# Altium PCB MiniPC.PcbDoc (part 15 of 22)
Units mm, origin at the board's own origin, x right, y up, seen from the top; angles counter-clockwise.
Board outline 175 x 155 mm, 16 copper layers (1_Top, 2_int1_(gnd), 3_int2_(power), 4_int3_(gnd), 5_int4_(sign), 6_int5_(power), 7_int6_(sign), 8_int7_(power), 9_int8_(gnd), 10_int9_(sign), 11_int10_(gnd), 12_int11_(sign), 13_int12_(gnd), 14_int13_(power), 15_int14_(gnd), 16_Bottom), stack 2.008 mm thick; 1046 components, 837 nets, 6010 pads, 3950 vias.
Unrouted connection lines stored in the file: 585.
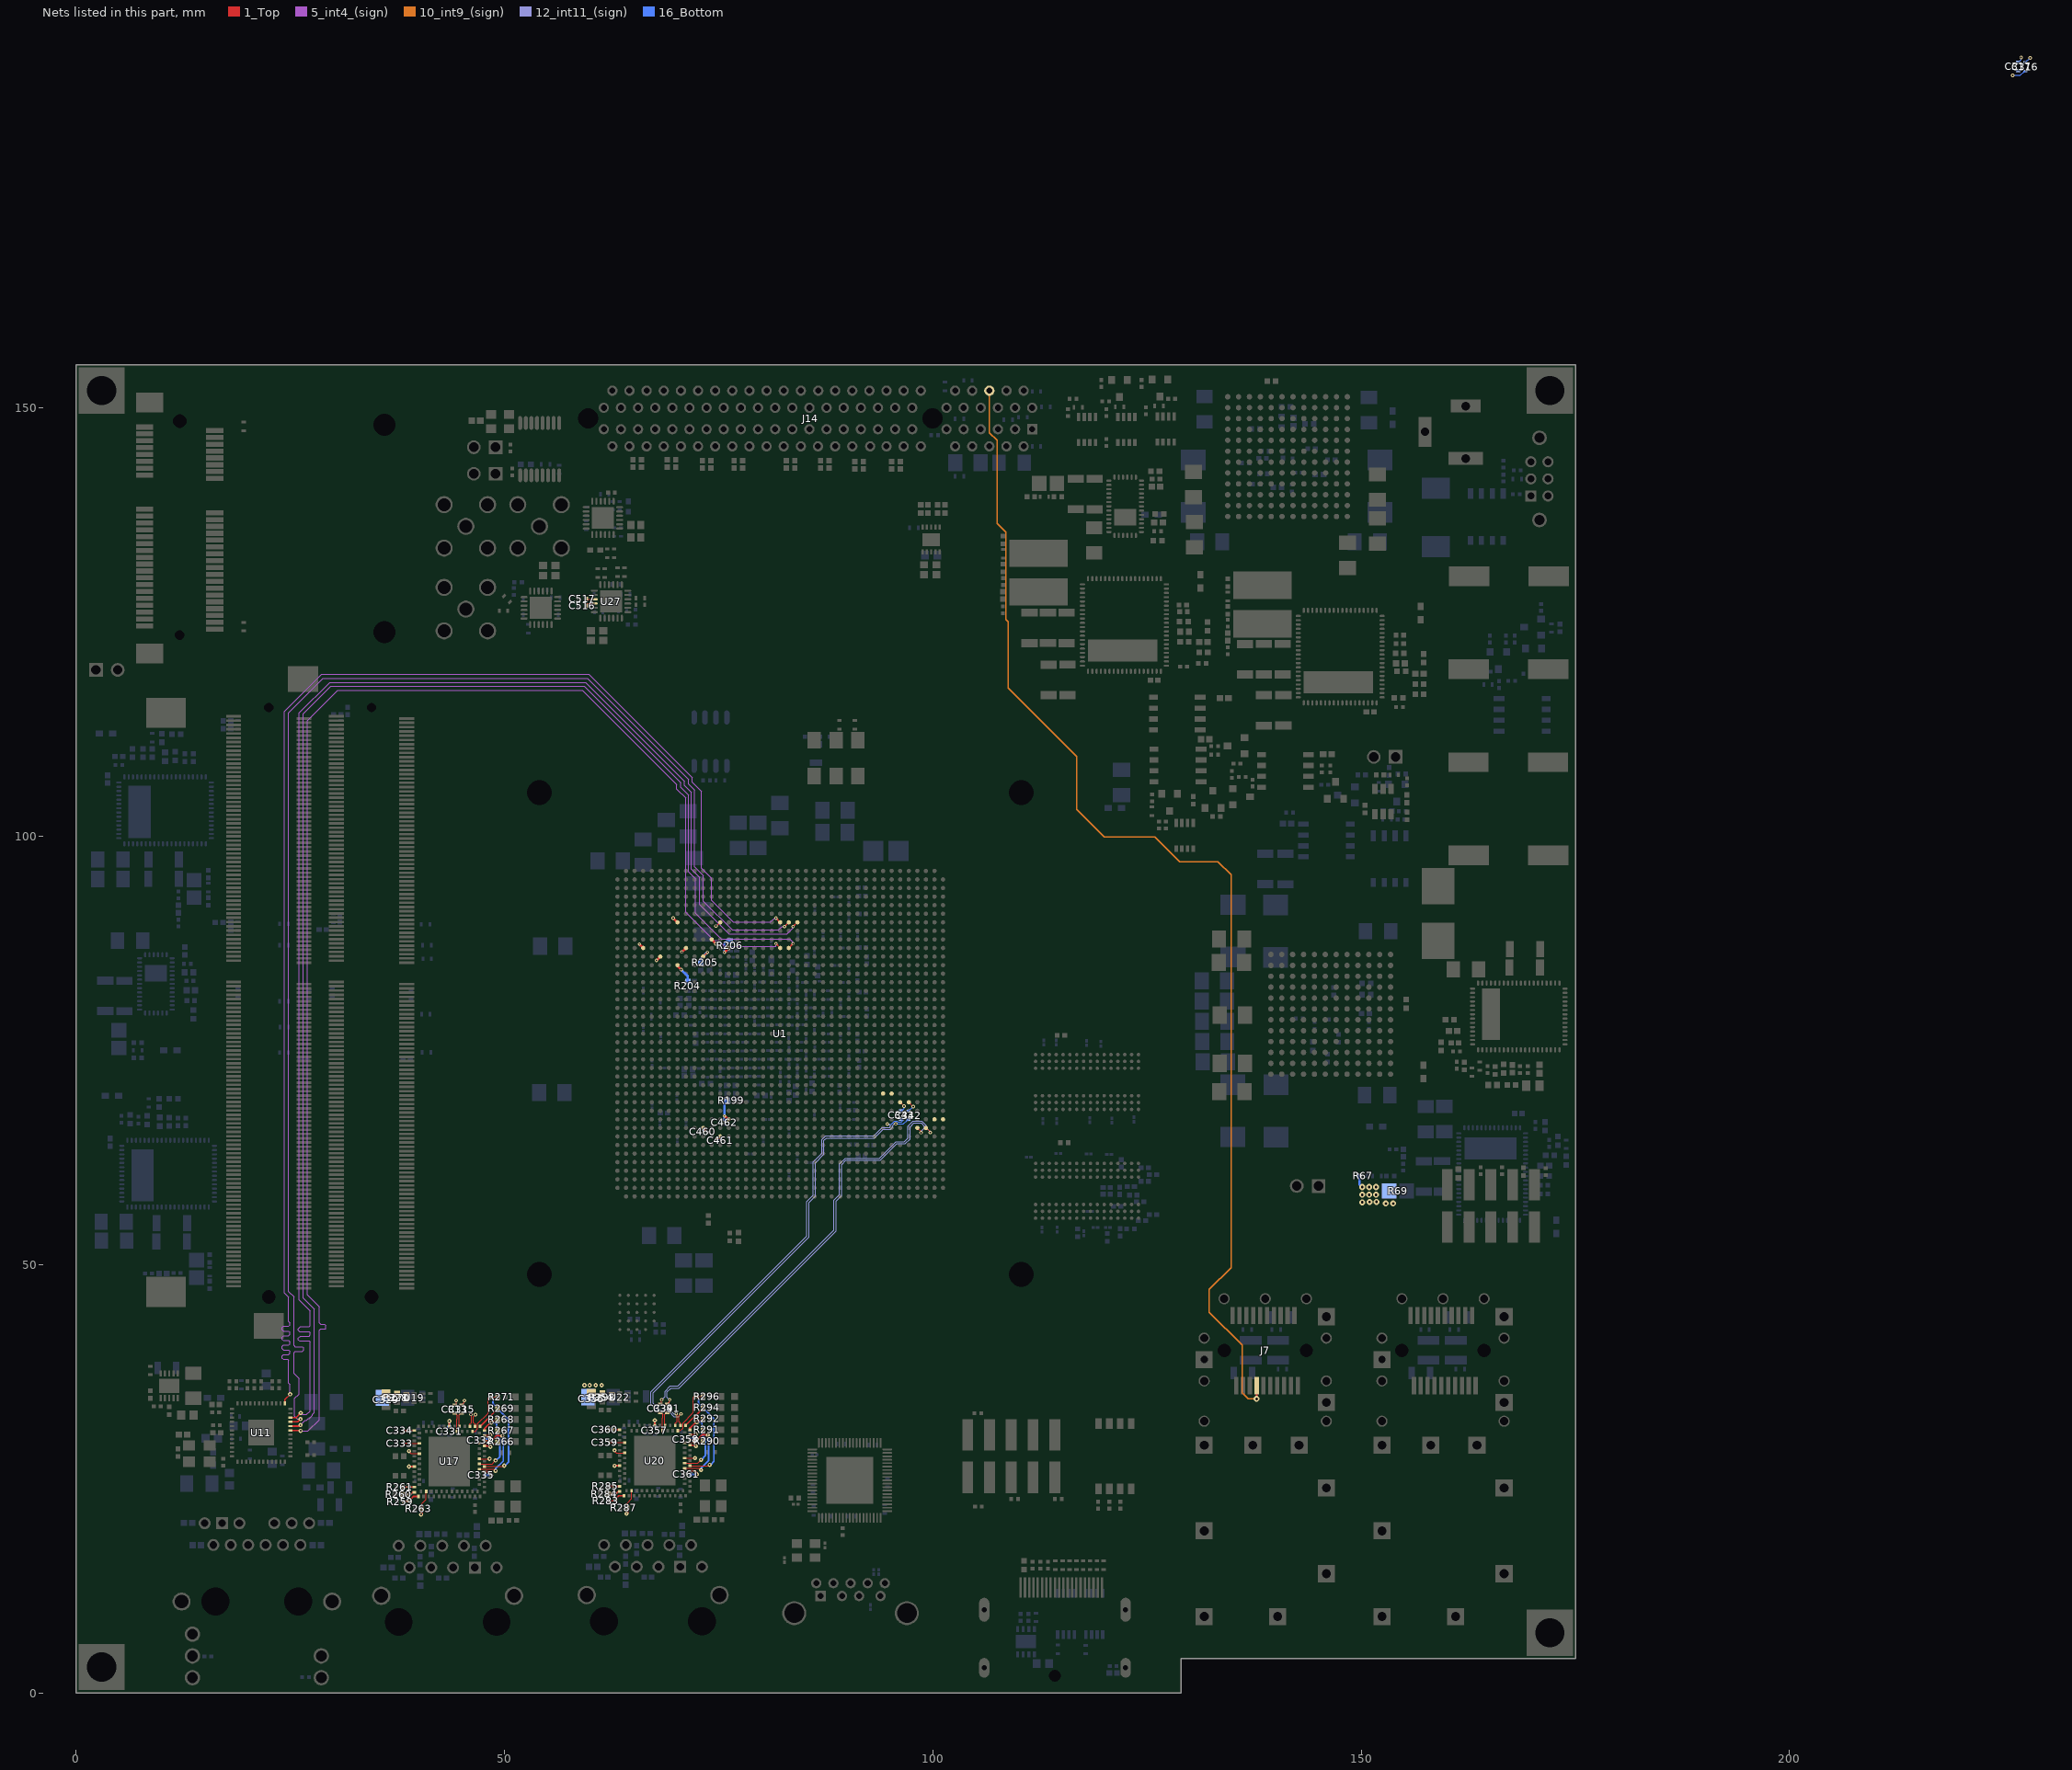
[diagram p29: the nets of this part, all layers, seen from the top]

## Via types
v1: diameter 0.4, hole 0.2, 1_Top to 16_Bottom, tented both sides, 1651 vias
v2: diameter 0.5, hole 0.2, 1_Top to 16_Bottom, tented both sides, 983 vias
v3: diameter 0.7, hole 0.3, 1_Top to 16_Bottom, tented both sides, 915 vias
v4: diameter 0.6, hole 0.2, 1_Top to 16_Bottom, tented both sides, 278 vias
v5: diameter 0.4, hole 0.2, 1_Top to 16_Bottom, 78 vias
v6: diameter 0.4/0/0/0/0/0/0/0/0/0/0/0/0/0/0/0.4 (per signal layer), hole 0.2, 1_Top to 16_Bottom, tented both sides, 18 vias
v7: diameter 0.5, hole 0.254, 1_Top to 16_Bottom, tented both sides, 15 vias
v8: diameter 0.4/0/0/0/0/0/0/0/0/0/0/0.4/0.4/0.4/0.4/0.4 (per signal layer), hole 0.2, 1_Top to 16_Bottom, tented both sides, 10 vias
v9: diameter 0.5, hole 0.2, 1_Top to 16_Bottom, 2 vias

## Nets (pads, with @x,y where several pads share a name; then routed paths per layer and width w, separated by ;. In a path a pad name is that pad's centre, name@x,y a point inside that pad or via, vN(x,y) a via of type N, cw(c..) or ccw(c..) an arc to the next point about the centre after c; other vN are vias at no path point) (continued)
ENET_HPS_TX_EN: U1.G20 U11.25 | length 166.3
  1_Top w0.15: v1(81.694,90.439) U1.G20@82.194,89.939
  1_Top w0.17: U11.25@24.362,33.775 24.362,34.204 25,34.843 v2(25,34.85)
  5_int4_(sign) w0.1: v2(25,34.85) 24.965,34.885 24.965,35.985 24.825,36.125 24.825,38.788 24.687,38.925 24.197,38.925 24.06,39.063 24.06,39.338 24.197,39.475 24.828,39.475 24.965,39.613 24.965,39.888 24.828,40.025 24.197,40.025 24.06,40.163 24.06,40.438 24.197,40.575 24.828,40.575 24.965,40.713 24.965,40.988 24.828,41.125 24.197,41.125 24.06,41.263 24.06,41.538 24.197,41.675 24.828,41.675 24.965,41.813 24.965,42.088 24.828,42.225 24.197,42.225 24.06,42.363 24.06,42.638 24.197,42.775 24.828,42.775 24.965,42.913 24.965,43.188 24.825,43.328 24.825,46.174 24.34,46.659 24.34,114.566 28.659,118.885 59.867,118.885 71.95,106.802 71.95,106.272 73.025,105.197 73.025,96.227 74.2,95.052 74.2,92.475 76.725,89.95 81.071,89.95 81.561,90.439 v1(81.694,90.439)
ENET_HPS_TXD0: U1.K20 U11.19 | length 165.1
  1_Top w0.17: U11.19@25.012,30.625 26.169,30.625 v2(26.213,30.582) ; v1(81.694,87.439) U1.K20@82.194,86.939
  5_int4_(sign) w0.1: v2(26.213,30.582) 27.043,30.582 27.075,30.55 28.4,31.875 28.4,42.338 28.537,42.475 29.152,42.475 29.152,42.888 29.015,43.025 28.537,43.025 28.4,43.163 28.4,45.05 27.025,46.425 27.025,48.65 27,48.675 27,113.475 30.55,117.025 59.124,117.025 70.11,106.039 70.11,105.51 71.175,104.445 71.175,91.125 74.45,87.85 74.975,87.85 75.675,87.15 76.1,87.15 76.125,87.125 78.93,87.125 78.955,87.15 81.694,87.15 v1(81.694,87.439)
ENET_HPS_TXD1: U1.K21 U11.20 | length 165.3
  1_Top w0.17: U11.20@25.012,31.125 26.076,31.125 v2(26.2,31.25) ; U1.K21@83.194,86.939 v1(83.694,87.439)
  5_int4_(sign) w0.1: v2(26.2,31.25) 26.75,31.8 26.9,31.8 27.125,32.025 27.2,32.025 27.575,32.4 27.575,32.475 27.8,32.7 27.8,44.775 26.525,46.05 26.525,114.3 29.725,117.5 59.3,117.5 70.57,106.23 70.57,105.701 71.5,104.771 71.5,95.8 72.3,95 72.3,91 75.325,87.975 81.446,87.975 81.47,87.999 83.301,87.999 83.694,87.606 v1(83.694,87.439)
ENET_HPS_TXD2: U1.G21 U11.21 | length 166.9
  1_Top w0.17: U11.21@25.012,31.625 25.876,31.625 v2(26.2,31.95) ; v1(82.694,89.439) U1.G21@83.194,89.939
  5_int4_(sign) w0.1: v2(26.2,31.95) 25.85,31.95 25.5,32.3 25.5,34.35 26.025,34.875 26.025,36.675 25.425,37.275 25.425,39.713 25.563,39.85 26.441,39.85 26.578,39.988 26.578,40.263 26.441,40.4 25.563,40.4 25.425,40.538 25.425,46.225 24.8,46.85 24.8,48.475 24.825,48.5 24.825,114.4 28.85,118.425 59.676,118.425 71.49,106.611 71.49,106.082 72.179,105.393 72.179,96.423 73.22,95.381 73.22,92.396 76.576,89.039 82.014,89.039 82.414,89.439 v1(82.694,89.439) ; v1@82.694,89.4 v1@82.7,89.4
ENET_HPS_TXD3: U1.G22 U11.22 | length 169.4
  1_Top w0.17: U11.22@25.012,32.125 25.69,32.125 26.214,32.65 v2(26.225,32.65) ; v1(83.694,89.439) U1.G22@84.194,89.939
  5_int4_(sign) w0.1: v2(26.225,32.65) 26.4,32.475 26.925,32.475 27.34,32.89 27.34,40.938 27.203,41.075 26.093,41.075 25.955,41.213 25.955,41.388 26.192,41.625 27.203,41.625 27.34,41.763 27.34,42.038 27.203,42.175 26.093,42.175 25.955,42.313 25.955,42.488 26.192,42.725 27.203,42.725 27.34,42.863 27.34,44.584 26.065,45.859 26.065,114.391 29.634,117.96 59.491,117.96 71.03,106.421 71.03,105.891 71.825,105.096 71.825,96.126 72.76,95.191 72.76,92.015 76.196,88.579 82.979,88.579 83.694,89.294 v1(83.694,89.439)
ENET_REFCLK_C_N: C516.1 U27.22 | length 1
  1_Top w0.1: C516.1@59.6,127 59.75,127.15 U27.22@60.5,127.15
ENET_REFCLK_C_P: C517.1 U27.21 | length 0.9
  1_Top w0.1: C517.1@59.6,127.7 59.65,127.65 U27.21@60.5,127.65
ENETA_DVDD: C328.2 C329.2 C331.2 C332.2 C333.2 C334.2 C335.2 R270.2 U17.A1 U17.A8 U17.A31 U17.A36 U17.A38 U17.A46 U17.B3 U17.B5 U17.B29 U19.4 | length 12.1
  1_Top w0.1: v2(38.874,28.212) 38.774,28.212 39.074,27.912 U17.B5@40.074,27.912 ; v2(38.874,29.112) U17.B3@40.074,29.112 ; U17.B29@47.074,27.312 v2(48.274,27.312)
  1_Top w0.2: C333.2@38.274,29.112 v2(38.874,29.112) ; v2(38.874,26.412) 38.774,26.412 U17.A8@39.474,26.412 ; v2(38.874,30.612) 38.774,30.612 U17.A1@39.474,30.612 ; U17.A46@43.574,31.112 v2(43.574,31.712) ; U17.A31@47.674,25.812 48.274,25.812 48.474,25.612 v2(48.474,25.412) ; U17.A36@47.674,28.812 48.174,28.812 48.274,28.712 v2(48.374,28.712) ; U17.A38@47.674,30.012 48.274,30.012 v2(48.374,30.112)
  1_Top w0.25: C334.2@38.274,30.612 v2@38.774,30.612
  16_Bottom w0.25: C331.2@43.574,31.012 v2(43.574,31.712) ; C332.2@47.674,29.512 47.874,29.512 v2@48.374,30.012 ; C335.2@47.774,25.412 v2(48.474,25.412)
ENETA_INTN: R261.1 R285.1 U17.A12 U20.A12 | length 2.6
  1_Top w0.2: R261.1@38.199,24.012 v2(38.874,24.012) U17.A12@39.474,24.012 ; R285.1@62.175,24.1 v2(62.85,24.1) U20.A12@63.45,24.1
ENETA_LED_LINK10: R271.2 U17.A32 U17.B35 | length 17.4
  1_Top w0.1: U17.B35@46.274,30.512 46.574,30.512 46.874,30.812 46.874,31.412 48.074,32.612 48.074,34.412 48.174,34.512 v2(48.474,34.512) R271.2@49.174,34.512 ; U17.A32@47.674,26.412 49.974,26.412 v2(49.974,26.512)
  16_Bottom w0.2: v2@48.674,34.512 48.674,33.712 49.974,32.412 50.474,31.912 50.474,26.912 50.074,26.512 v2(49.974,26.512)
ENETA_LED_LINK100: R269.2 U17.A40 | length 2.9
  1_Top w0.2: U17.A40@47.174,31.112 49.174,33.112 R269.2@49.174,33.212
ENETA_LED_LINK1000: R268.2 U17.A39 U17.B28 | length 9.9
  1_Top w0.1: U17.B28@47.074,26.712 48.574,26.712 48.874,27.012 48.974,27.012 48.874,27.112 v2(48.974,27.112)
  1_Top w0.2: U17.A39@47.674,30.612 47.774,30.612 47.724,30.662 47.674,30.712 47.674,30.812 v2@48.424,31.562 ; v2(48.474,31.512) 48.474,31.712 49.074,31.712 R268.2@49.174,31.812
  16_Bottom w0.2: v2(48.474,31.512) 48.974,31.512 49.074,31.412 49.074,30.012 49.474,29.612 49.474,27.576 49.01,27.112 v2(48.974,27.112)
ENETA_LED_RX: R267.2 U17.A37 U17.B27 | length 9.7
  1_Top w0.1: U17.B27@47.074,26.112 48.774,26.112 v2(48.974,25.912)
  1_Top w0.2: U17.A37@47.674,29.412 48.474,29.412 48.732,29.67 49.074,30.012 ; R267.2@49.224,30.612 49.224,30.062 49.274,30.012 ; v2(49.774,29.987) 49.699,29.912 49.674,29.912 49.574,30.012 49.274,30.012 ; 49.074,30.012 49.274,30.012 ; 49.074,30.012 49.274,30.012
  16_Bottom w0.2: v2(48.974,25.912) 48.974,26.148 49.874,27.048 49.874,29.712 49.774,29.812 v2(49.774,29.987)
ENETA_LED_TX: R266.2 U17.B32 | length 1.9
  1_Top w0.1: U17.B32@47.074,29.112 48.874,29.112 R266.2@48.974,29.212
ENETA_MDC: R259.1 R283.1 U17.A14 U20.A14 | length 4
  1_Top w0.2: R259.1@38.274,22.312 38.874,22.312 v2(38.974,22.412) 38.974,22.512 39.374,22.912 U17.A14@39.974,22.912 ; R283.1@62.25,22.4 62.85,22.4 v2(62.95,22.5) 62.95,22.6 63.35,23 U20.A14@63.95,23
ENETA_MDIO: R260.1 R284.1 U17.A13 U20.A13 | length 2.4
  1_Top w0.17: R260.1@38.399,23.137 38.874,23.137 v9(38.899,23.162) ; v9@38.899,23.137 39.049,23.137 39.324,23.412 U17.A13@39.474,23.412 ; R284.1@62.375,23.225 62.85,23.225 v9(62.875,23.25) ; v9@62.875,23.225 63.025,23.225 63.3,23.5 U20.A13@63.45,23.5
ENETA_RESETN: R263.1 R287.1 U17.B13 U20.B13 | length 5.9
  1_Top w0.1: R263.1@40.374,21.512 40.374,22.062 40.874,22.562 U17.B13@40.874,23.512 ; R287.1@64.35,21.6 64.35,22.15 64.85,22.65 U20.B13@64.85,23.6
  1_Top w0.25: v2(40.274,20.812) 40.374,20.912 R263.1@40.374,21.512 ; v2(64.25,20.9) 64.35,21 R287.1@64.35,21.6
ENETA_RX_N: C317.1 U1.AG32 | length 0.7
  16_Bottom w0.1: C317.1@226.689,190.337 227.014,190.662 v5(227.014,190.895)
ENETA_RX_P: C316.1 U1.AG33 | length 0.8
  16_Bottom w0.1: C316.1@227.514,190.312 228.039,190.837 v5(228.072,190.837)
ENETA_RXC_N: C317.2 U17.A41 | length 1.5
  1_Top w0.1: U17.A41@46.574,31.112 46.574,31.362 46.384,31.552 46.384,32.222 v1(46.624,32.462)
ENETA_RXC_P: C316.2 U17.A42 | length 3.2
  1_Top w0.1: U17.A42@45.974,31.112 45.974,31.362 46.164,31.552 46.164,32.397 v1(46.074,32.487)
  16_Bottom w0.1: v5(226.039,188.812) 226.939,188.812 227.389,189.262 227.464,189.262 C316.2@227.514,189.312
ENETA_TX_N: C315.1 U1.AK38 | length 0.7
  1_Top w0.1: C315.1@45.024,33.612 45.324,33.912 v1(45.324,34.112) v1@45.274,34.162
ENETA_TX_P: C313.1 U1.AK39 | length 0.6
  1_Top w0.1: C313.1@44.374,33.612 v1(44.374,34.112) v1@44.374,34.162
ENETA_TXC_N: C315.2 U17.A44 | length 1.7
  1_Top w0.1: U17.A44@44.774,31.112 44.724,31.162 44.724,31.901 44.744,31.921 44.744,32.432 44.924,32.612 C315.2@45.024,32.612
ENETA_TXC_P: C313.2 U17.B38 | length 2.3
  1_Top w0.1: C313.2@44.224,32.612 44.324,32.612 44.524,32.412 44.524,32.012 44.474,31.962 U17.B38@44.474,30.512
ENETB_DVDD: C354.2 C355.2 C357.2 C358.2 C359.2 C360.2 C361.2 R293.2 U20.A1 U20.A8 U20.A31 U20.A36 U20.A38 U20.A46 U20.B3 U20.B5 U20.B29 U22.4 | length 12.1
  1_Top w0.1: v2(62.85,28.3) 62.75,28.3 63.05,28 U20.B5@64.05,28 ; v2(62.85,29.2) U20.B3@64.05,29.2 ; U20.B29@71.05,27.4 v2(72.25,27.4)
  1_Top w0.2: C359.2@62.25,29.2 v2(62.85,29.2) ; v2(62.85,26.5) 62.75,26.5 U20.A8@63.45,26.5 ; v2(62.85,30.7) 62.75,30.7 U20.A1@63.45,30.7 ; U20.A46@67.55,31.2 v2(67.55,31.8) ; U20.A31@71.65,25.9 72.25,25.9 72.45,25.7 v2(72.45,25.5) ; U20.A36@71.65,28.9 72.15,28.9 72.25,28.8 v2(72.35,28.8) ; U20.A38@71.65,30.1 72.25,30.1 v2(72.35,30.2)
  1_Top w0.25: C360.2@62.25,30.7 v2@62.75,30.7
  16_Bottom w0.25: C357.2@67.55,31.1 v2(67.55,31.8) ; C358.2@71.65,29.6 71.85,29.6 v2@72.35,30.1 ; C361.2@71.75,25.5 v2(72.45,25.5)
  other v2: 59.35,35.9 59.95,35.9 60.65,35.9 61.35,35.9
ENETB_LED_LINK10: R296.2 U20.A32 U20.B35 | length 17.4
  1_Top w0.1: U20.B35@70.25,30.6 70.55,30.6 70.85,30.9 70.85,31.5 72.05,32.7 72.05,34.5 72.15,34.6 v2(72.45,34.6) R296.2@73.15,34.6 ; U20.A32@71.65,26.5 73.95,26.5 v2(73.95,26.6)
  16_Bottom w0.2: v2@72.65,34.6 72.65,33.8 73.95,32.5 74.45,32 74.45,27 74.05,26.6 v2(73.95,26.6)
ENETB_LED_LINK100: R294.2 U20.A40 | length 2.9
  1_Top w0.2: U20.A40@71.15,31.2 73.15,33.2 R294.2@73.15,33.3
ENETB_LED_LINK1000: R292.2 U20.A39 U20.B28 | length 9.9
  1_Top w0.1: U20.B28@71.05,26.8 72.55,26.8 72.85,27.1 72.95,27.1 72.85,27.2 v2(72.95,27.2)
  1_Top w0.2: U20.A39@71.65,30.7 71.75,30.7 71.7,30.75 71.65,30.8 71.65,30.9 v2@72.4,31.65 ; v2(72.45,31.6) 72.45,31.8 73.05,31.8 R292.2@73.15,31.9
  16_Bottom w0.2: v2(72.45,31.6) 72.95,31.6 73.05,31.5 73.05,30.1 73.45,29.7 73.45,27.664 72.986,27.2 v2(72.95,27.2)
ENETB_LED_RX: R291.2 U20.A37 U20.B27 | length 9.7
  1_Top w0.1: U20.B27@71.05,26.2 72.75,26.2 v2(72.95,26)
  1_Top w0.2: U20.A37@71.65,29.5 72.45,29.5 72.708,29.758 73.05,30.1 ; R291.2@73.2,30.7 73.2,30.15 73.25,30.1 ; v2(73.75,30.075) 73.675,30 73.65,30 73.55,30.1 73.25,30.1 ; 73.05,30.1 73.25,30.1 ; 73.05,30.1 73.25,30.1
  16_Bottom w0.2: v2(72.95,26) 72.95,26.236 73.85,27.136 73.85,29.8 73.75,29.9 v2(73.75,30.075)
ENETB_LED_TX: R290.2 U20.B32 | length 1.9
  1_Top w0.1: U20.B32@71.05,29.2 72.85,29.2 R290.2@72.95,29.3
ENETB_RX_N: C343.1 U1.AH34 | length 1.3
  1_Top w0.1: U1.AH34@96.194,68.939 v5(96.65,68.483)
  16_Bottom w0.1: C343.1@96.325,67.925 96.65,68.25 v5(96.65,68.483)
ENETB_RX_P: C342.1 U1.AH35 | length 1.5
  1_Top w0.1: U1.AH35@97.194,68.939 v5(97.708,68.425)
  16_Bottom w0.1: C342.1@97.15,67.9 97.675,68.425 v5(97.708,68.425)
ENETB_RXC_N: C343.2 U20.A41 | length 56.4
  1_Top w0.1: U20.A41@70.55,31.2 70.55,31.45 70.36,31.64 70.36,32.31 v1(70.6,32.55)
  12_int11_(sign) w0.09: v1(70.6,32.55) 70.29,32.24 69.796,32.24 69.176,32.86 67.941,32.86 67.1,33.701 67.1,35.132 85.3,53.332 85.3,57.34 86.06,58.1 86.06,61.96 87.06,62.96 87.06,64.587 87.473,65 93.1,65 94.09,65.99 94.946,65.99 95.075,66.119 95.075,66.225 94.955,66.345 94.79,66.345 94.76,66.375 v5(94.675,66.375)
  16_Bottom w0.1: v5(94.675,66.375) 95.169,66.375 95.534,66.74 95.816,66.74 95.936,66.62 96.35,66.62 96.469,66.739 96.469,66.781 C343.2@96.325,66.925
ENETB_RXC_P: C342.2 U20.A42 | length 54.6
  1_Top w0.1: U20.A42@69.95,31.2 69.95,31.45 70.14,31.64 70.14,32.485 v1(70.05,32.575)
  12_int11_(sign) w0.09: v1(70.05,32.575) 69.8,32.575 69.275,33.1 68.04,33.1 67.34,33.8 67.34,35.032 85.54,53.232 85.54,57.241 86.3,58.001 86.3,61.861 87.3,62.861 87.3,64.488 87.572,64.76 93.199,64.76 94.189,65.75 95.045,65.75 95.315,66.02 95.315,66.225 95.49,66.4 v5(95.675,66.4)
  16_Bottom w0.1: v5(95.675,66.4) 96.575,66.4 97.025,66.85 97.1,66.85 C342.2@97.15,66.9
ENETB_TX_N: C341.1 U1.AL36 | length 51.5
  1_Top w0.1: C341.1@69,33.7 69.3,34 v1(69.3,34.2) v1@69.25,34.25 ; U1.AL36@98.194,65.939 98.63,65.503 v1(98.63,65.38)
  12_int11_(sign) w0.09: v1(69.3,34.2) 69,34.5 69,35.1 69.46,35.56 70.359,35.56 88.7,53.901 88.7,57.388 89.349,58.037 89.349,61.637 89.872,62.16 93.859,62.16 95.8,64.101 96.776,64.101 97.34,64.665 97.34,66.055 97.785,66.5 98.63,66.5 99.03,66.1 99.03,65.93 98.63,65.53 v1(98.63,65.38)
ENETB_TX_P: C339.1 U1.AL37 | length 52.3
  1_Top w0.1: C339.1@68.35,33.7 v1(68.35,34.2) v1@68.35,34.25 ; U1.AL37@99.194,65.939 99.261,65.939 99.71,65.49 v1(99.71,65.39)
  12_int11_(sign) w0.09: v1(68.35,34.2) 68.36,34.2 68.76,34.6 68.76,35.199 69.361,35.8 70.26,35.8 88.46,54 88.46,57.487 89.109,58.136 89.109,61.736 89.773,62.4 93.76,62.4 95.701,64.341 96.676,64.341 97.1,64.764 97.1,66.154 97.686,66.74 98.729,66.74 99.27,66.199 99.27,65.93 99.71,65.49 v1(99.71,65.39)
ENETB_TXC_N: C341.2 U20.A44 | length 1.7
  1_Top w0.1: U20.A44@68.75,31.2 68.7,31.25 68.7,31.989 68.72,32.009 68.72,32.52 68.9,32.7 C341.2@69,32.7
ENETB_TXC_P: C339.2 U20.B38 | length 2.3
  1_Top w0.1: C339.2@68.2,32.7 68.3,32.7 68.5,32.5 68.5,32.1 68.45,32.05 U20.B38@68.45,30.6
EXTA_SDA: J7.4 J14.B6 | length 140.9
  1_Top w0.17: v3(137.8,34.3) J7.4@137.8,35.85
  10_int9_(sign) w0.15: J14.B6@106.6,152 106.6,147.1 107.5,146.2 107.5,136.51 108.51,135.5 108.51,125.29 108.8,125 108.8,117.3 116.8,109.3 116.8,103.1 120,99.9 125.9,99.9 128.8,97 133.275,97 134.8,95.475 134.8,49.6 132.275,47.075 132.275,44.425 136.1,40.6 136.1,35 136.8,34.3 v3(137.8,34.3)
FMCBVADJ: C460.2 C461.2 C462.2 R67.2 R69.1 R199.1 R204.1 R205.1 R206.1 U1.AK14 U1.AL11 U1.AM13 U1.G8 U1.G13 U1.J12 U1.K4 U1.K9 U1.K14 U1.L6 U1.L11 U1.M8 | length 18.6
  1_Top w0.17: v1(74.7,89.5) 74.755,89.5 U1.G13@75.194,89.939
  1_Top w0.25: v1(69.694,90.439) U1.G8@70.194,89.939 ; U1.AL11@73.194,65.939 v1(73.683,65.45) ; U1.L11@73.194,85.939 v1(73.694,86.439)
  1_Top w0.3: v1(65.75,87.4) 65.75,87.383 U1.K4@66.194,86.939 ; v1(67.745,85.495) 67.75,85.495 U1.L6@68.194,85.939 ; U1.M8@70.194,84.939 70.194,84.856 v1(70.625,84.425) ; v1(70.7,86.475) 70.73,86.475 U1.K9@71.194,86.939 ; U1.J12@74.194,87.939 v1(74.7,87.433) ; v1(74.7,64.425) 74.7,64.445 U1.AM13@75.194,64.939 ; v1(75.675,86.425) 75.68,86.425 U1.K14@76.194,86.939 ; v1@75.679,67.379 v1(75.679,67.328) 75.722,67.328 76.111,66.939 U1.AK14@76.194,66.939
  16_Bottom w0.3: v1(70.625,84.425) 71.35,83.7 71.4,83.7 R204.1@71.4,83.025 ; R205.1@72.925,85.225 72.925,85.67 v1(73.694,86.439) ; C460.2@73.175,65.785 73.354,65.785 73.683,65.456 v1(73.683,65.45) ; v1(74.7,64.425) 75.035,64.76 C461.2@75.225,64.76 ; v1(75.675,86.425) 75.675,87.475 75.925,87.725 R206.1@76.325,87.725 ; C462.2@75.7,66.86 75.7,67.307 v1(75.679,67.328) 75.679,68.829 R199.1@76,69.15 ; R67.2@149.79,60.36 149.79,59.375 v3(150.13,59.035)
  other v3: 152.87,57.11 153.74,57.11 150.11,57.26 150.97,57.3 151.78,57.31 150.13,58.135 150.93,58.135 151.73,58.135 150.93,59.035 151.73,59.035